# Altium PCB Radxa_E25_V1.4_20220119.PcbDoc (part 3 of 5) (continued)
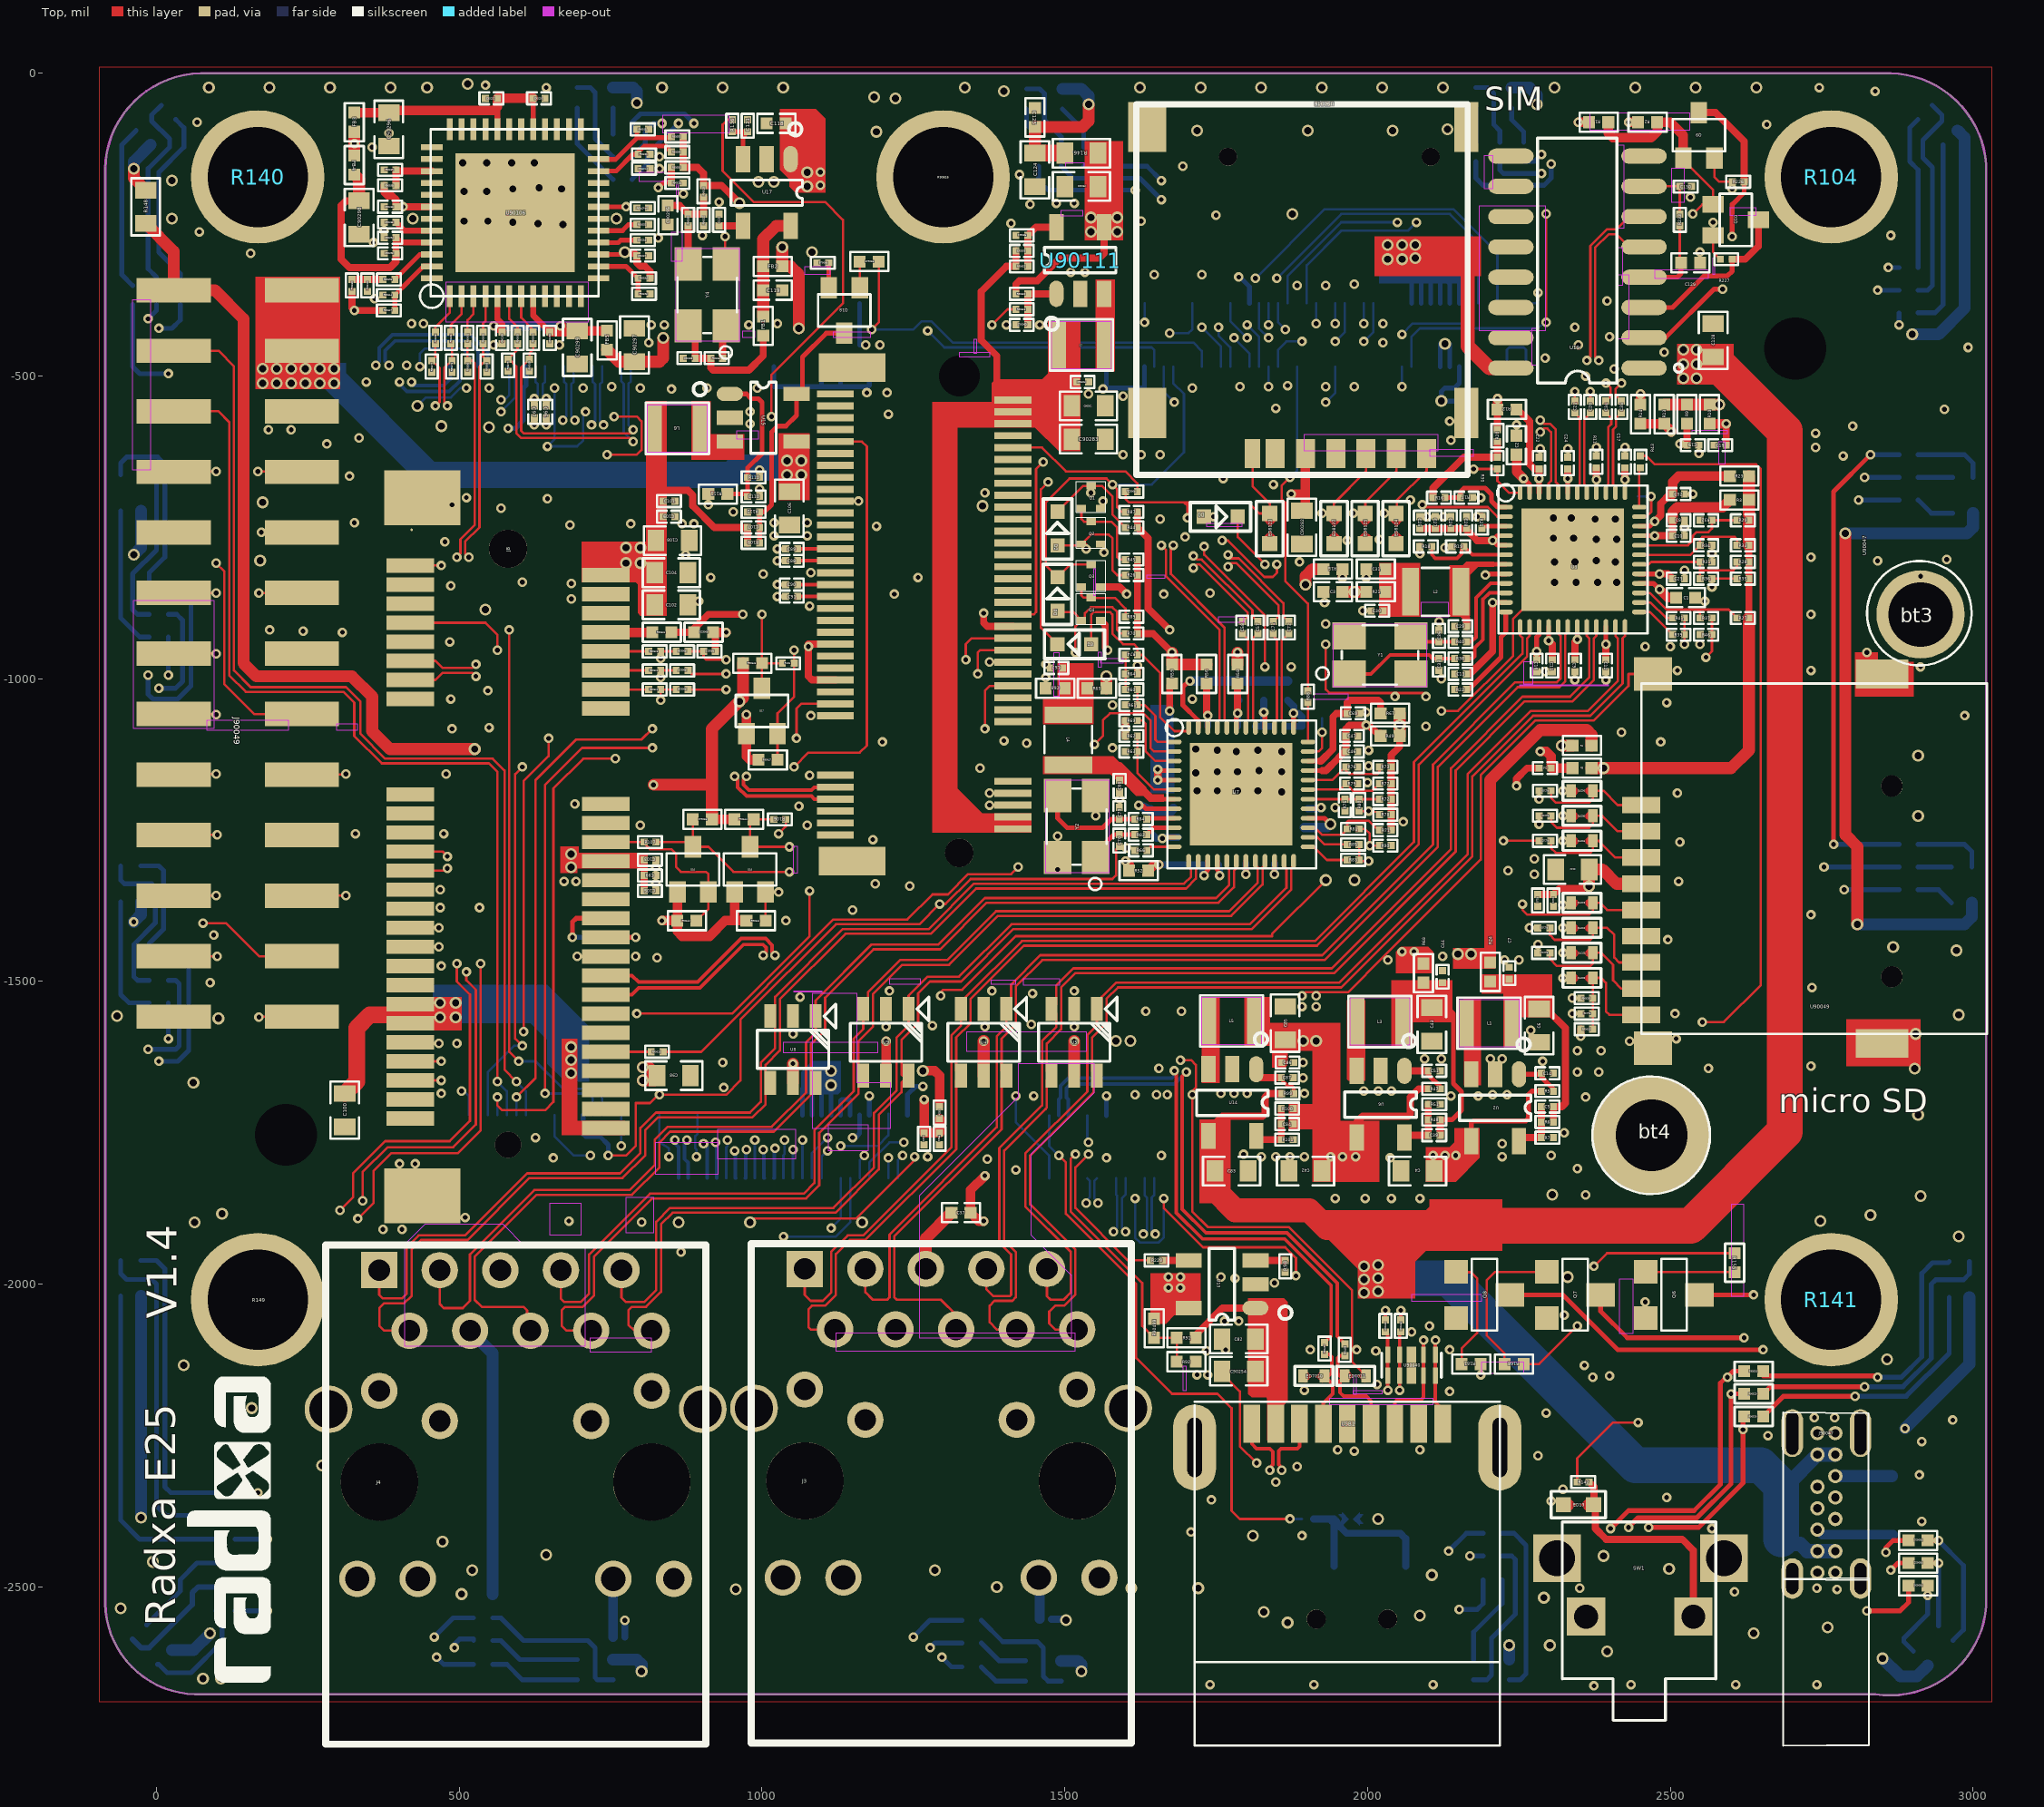
[diagram p0: Top view]
## Nets (pads, with @x,y where several pads share a name; then routed paths per layer and width w, separated by ;. In a path a pad name is that pad's centre, name@x,y a point inside that pad or via, vN(x,y) a via of type N, cw(c..) or ccw(c..) an arc to the next point about the centre after c; other vN are vias at no path point) (continued)
MDI1+: J4.3 U7.17 U8.1 | length 1842
  Top w3.94: J4.3@467.91,-1976.77 467.91,-2032.87 474.41,-2039.37 505.91,-2039.37 517.72,-2027.56 517.72,-1950.79 624.02,-1844.49 781.5,-1844.49 822.83,-1803.15 822.83,-1761.81 844.49,-1740.16 1016.23,-1740.16 1072.83,-1683.55 1072.83,-1600.39 1088.58,-1584.65 U8.1@1088.58,-1557.09 1088.58,-1531.5 1181.1,-1438.98 1291.34,-1438.98 1368.11,-1362.2 1750,-1362.2 1771.65,-1340.55 1771.65,-1314.96 1767.72,-1311.02 U7.17@1767.72,-1301.18
MDI1+_16743330: J3.3 U3.17 U4.1 | length 1967.1
  Top w3.94: J3.3@1170.67,-1974.8 1170.67,-2013.19 1183.07,-2025.59 1206.69,-2025.59 1210.64,-2021.64 1210.64,-1918 1387.8,-1740.84 1387.8,-1590.55 1403.54,-1574.8 U4.1@1403.54,-1545.28 1411.42,-1537.4 1411.42,-1504.95 1459.67,-1456.69 1694.88,-1456.69 1925.2,-1456.69 2108.27,-1273.62 2108.27,-1141.73 2244.09,-1005.91 2312.99,-1005.91 2318.9,-1000 2318.9,-929.13 2314.96,-925.2 U3.17@2314.96,-913.39
MDI1-: J4.6 U7.18 U8.6 | length 1862.9
  Top w3.94: J4.6@617.91,-2076.77 612.2,-2071.06 612.2,-2043.31 606.3,-2037.4 537.4,-2037.4 525.59,-2025.59 525.59,-1954.72 627.95,-1852.36 785.43,-1852.36 830.71,-1807.09 830.71,-1765.75 848.43,-1748.03 1019.49,-1748.03 1088.58,-1678.94 U8.6@1088.58,-1667.32 1080.71,-1659.45 1080.71,-1604.33 1104.33,-1580.71 1104.33,-1526.88 1184.36,-1446.85 1294.6,-1446.85 1371.37,-1370.08 1753.94,-1370.08 1779.53,-1344.49 1779.53,-1316.93 1783.46,-1312.99 U7.18@1783.46,-1301.18
MDI1-_16743330: J3.6 U3.18 U4.6 | length 2027.1
  Top w3.94: J3.6@1320.67,-2074.8 1320.67,-2050.98 1295.28,-2025.59 1222.44,-2025.59 1218.51,-2021.66 1218.51,-1921.26 1395.67,-1744.1 1395.67,-1663.39 U4.6@1403.54,-1655.51 1395.67,-1647.64 1395.67,-1594.49 1419.29,-1570.87 1419.29,-1508.21 1462.94,-1464.57 1929.13,-1464.57 2116.14,-1277.56 2116.14,-1145.67 2248.03,-1013.78 2316.93,-1013.78 2326.77,-1003.94 2326.77,-927.17 2330.71,-923.23 U3.18@2330.71,-913.39
MDI2+: J4.7 U7.20 U9.3 | length 1695.2
  Top w3.94: J4.7@667.91,-1976.77 667.91,-2023.62 673.82,-2029.53 700.79,-2029.53 714.57,-2015.75 714.57,-1950.79 814.96,-1850.39 1068.9,-1850.39 1086.61,-1832.68 1086.61,-1746.06 1151.57,-1681.1 1151.57,-1594.49 1167.32,-1578.74 U9.3@1167.32,-1545.28 1167.32,-1535.43 1175.2,-1527.56 1175.2,-1517.44 1228.07,-1464.57 1305.79,-1464.57 1386.5,-1383.86 1771.65,-1383.86 1818.9,-1336.61 1818.9,-1311.02 1814.96,-1307.09 U7.20@1814.96,-1301.18
MDI2+_16743390: J3.7 U3.20 U5.3 | length 1900
  Top w3.94: J3.7@1370.67,-1974.8 1370.67,-2008.46 1381.89,-2019.68 1409.45,-2019.68 1411.42,-2017.72 1411.42,-1950.79 1392.07,-1931.44 1392.07,-1775.25 1462.6,-1704.72 1462.6,-1598.43 1486.22,-1574.8 1486.22,-1553.15 U5.3@1478.35,-1545.28 1486.22,-1537.4 1486.22,-1506.24 1514.12,-1478.35 1940.94,-1478.35 2137.8,-1281.5 2137.8,-1147.64 2255.91,-1029.53 2334.65,-1029.53 2366.14,-998.03 2366.14,-933.07 2362.2,-929.13 U3.20@2362.2,-913.39
MDI2-: J4.8 U7.21 U9.4 | length 1744
  Top w3.94: J4.8@717.91,-2076.77 677.17,-2076.77 669.29,-2068.9 669.29,-2043.31 675.2,-2037.4 702.76,-2037.4 704.05,-2037.4 722.44,-2019.01 722.44,-1954.72 818.9,-1858.27 1072.83,-1858.27 1094.49,-1836.61 1094.49,-1750 1159.45,-1685.04 1159.45,-1663.39 U9.4@1167.32,-1655.51 1159.45,-1647.64 1159.45,-1598.43 1183.07,-1574.8 1183.07,-1520.7 1231.33,-1472.44 1309.06,-1472.44 1389.76,-1391.73 1774.92,-1391.73 1826.77,-1339.88 1826.77,-1311.02 1830.71,-1307.09 U7.21@1830.71,-1301.18
MDI2-_16743390: J3.8 U3.21 U5.4 | length 1950.6
  Top w3.94: J3.8@1420.67,-2074.8 1387.8,-2074.8 1375.98,-2062.99 1375.98,-2035.43 1383.86,-2027.56 1397.64,-2027.56 1413.39,-2027.56 1419.29,-2021.65 1419.29,-1946.85 1399.94,-1927.5 1399.94,-1779.19 1468.5,-1710.63 1468.5,-1709.95 1470.47,-1707.99 1470.47,-1663.39 U5.4@1478.35,-1655.51 1470.47,-1647.64 1470.47,-1602.36 1494.09,-1578.74 1494.09,-1509.5 1517.38,-1486.22 1944.88,-1486.22 2145.67,-1285.43 2145.67,-1151.57 2259.84,-1037.4 2338.58,-1037.4 2374.02,-1001.97 2374.02,-933.07 2377.95,-929.13 U3.21@2377.95,-913.39
MDI3+: J4.9 U7.23 U9.1 | length 1673.9
  Top w3.94: J4.9@767.91,-1976.77 767.91,-2021.85 775.59,-2029.53 805.12,-2029.53 825.45,-2009.19 825.45,-1896.99 848.43,-1874.02 1118.11,-1874.02 1185.04,-1807.09 1185.04,-1717.21 1222.44,-1679.81 1222.44,-1592.52 1242.13,-1572.83 U9.1@1242.13,-1545.28 1242.13,-1523.62 1273.62,-1492.13 1325.48,-1492.13 1412.09,-1405.51 1805.79,-1405.51 1866.14,-1345.16 1866.14,-1312.99 1862.2,-1309.06 U7.23@1862.2,-1301.18
MDI3+_16743390: J3.9 U3.23 U5.1 | length 1905.8
  Top w3.94: J3.9@1470.67,-1974.8 1470.67,-2019.88 1476.38,-2025.59 1498.03,-2025.59 1509.84,-2013.78 1509.84,-1946.18 1435.04,-1871.38 1435.04,-1784.34 1537.4,-1681.98 1537.4,-1588.58 1553.15,-1572.83 U5.1@1553.15,-1545.28 1561.02,-1545.28 1561.02,-1525.59 1584.65,-1501.97 1953.43,-1501.97 2165.35,-1290.05 2165.35,-1157.48 2269.68,-1053.15 2364.17,-1053.15 2413.39,-1003.94 2413.39,-933.07 2409.45,-929.13 U3.23@2409.45,-913.39
MDI3-: J4.10 U7.24 U9.6 | length 1710.4
  Top w3.94: J4.10@817.91,-2076.77 789.37,-2076.77 779.53,-2066.93 779.53,-2043.31 785.43,-2037.4 808.38,-2037.4 833.32,-2012.46 833.32,-1900.93 852.36,-1881.89 1121.37,-1881.89 1192.91,-1810.35 1192.91,-1720.47 1230.31,-1683.07 1230.31,-1667.32 U9.6@1242.13,-1655.51 1232.28,-1655.51 1230.31,-1653.54 1230.31,-1596.46 1257.87,-1568.9 1257.87,-1519.68 1277.56,-1500 1328.74,-1500 1415.35,-1413.39 1809.05,-1413.39 1874.02,-1348.43 1874.02,-1312.99 1877.95,-1309.06 U7.24@1877.95,-1301.18
MDI3-_16743390: J3.10 U3.24 U5.6 | length 1944.4
  Top w3.94: J3.10@1520.67,-2074.8 1484.25,-2074.8 1474.41,-2064.96 1474.41,-2045.28 1484.25,-2035.43 1499.32,-2035.43 1517.72,-2017.04 1517.72,-1942.91 1442.91,-1868.11 1442.91,-1787.6 1547.24,-1683.27 1547.24,-1661.42 U5.6@1553.15,-1655.51 1545.28,-1647.64 1545.28,-1592.52 1568.9,-1568.9 1568.9,-1528.85 1587.91,-1509.84 1956.69,-1509.84 2173.23,-1293.31 2173.23,-1161.42 2273.62,-1061.02 2368.11,-1061.02 2421.26,-1007.87 2421.26,-933.07 2425.2,-929.13 U3.24@2425.2,-913.39
MINIPCIE20_CLKREQN_3V3_L: J8.7 Q17.2 R105.2 R90647.2 | length 1022.5
  Top w3.94: J8.7@419.29,-907.48 543.31,-907.48 562.99,-927.17 v1(562.99,-952.76) ; R90647.2@1025.59,-1133.86 Q17.2@1025.59,-1090.55 1025.59,-1057.09 1053.15,-1029.53 R105.2@1053.15,-974.41 v1(1053.15,-952.76)
  GND2 w3.94: v1(562.99,-952.76) 562.99,-1000 624.02,-1061.02 899.61,-1061.02 923.23,-1037.4 923.23,-960.63 931.1,-952.76 v1(1053.15,-952.76)
MINIPCIE20_PERSTN_3V3_L: J8.22 Q15.2 R107.2 R90643.2 | length 290.1
  Top w3.94: J8.22@742.13,-1269.68 R107.2@805.12,-1269.68 805.12,-1271.65 814.96,-1281.5 850.39,-1281.5 858.27,-1289.37 858.27,-1311.02 866.14,-1318.9 907.48,-1318.9 911.42,-1322.83 Q15.2@911.42,-1352.36 911.42,-1379.92 R90643.2@891.73,-1399.61
MINIPCIE20_TX_N: C96.2 J8.31 | length 1109
  Top w3.94: J8.31@419.29,-1411.42 v1(466.54,-1411.42) ; v1(643.7,-580.71) C96.2@643.7,-568.9
  S1 w3.94: v1(466.54,-1411.42) 466.54,-1419.29 462.6,-1423.23 442.91,-1423.23 433.07,-1413.39 433.07,-663.39 484.25,-612.2 625.98,-612.2 637.8,-600.39 637.8,-586.61 v1(643.7,-580.71)
MINIPCIE20_TX_P: C97.2 J8.33 | length 1122.5
  Top w3.94: J8.33@419.29,-1442.91 v1(466.54,-1442.91) ; v1(624.02,-580.71) C97.2@624.02,-568.9
  S1 w3.94: v1(466.54,-1442.91) 466.54,-1435.04 462.6,-1431.1 438.98,-1431.1 425.2,-1417.32 425.2,-659.45 480.31,-604.33 622.05,-604.33 629.92,-596.46 629.92,-586.61 v1(624.02,-580.71)
MINIPCIE20_WAKEN_3V3_L: J8.1 Q16.2 R106.2 R90645.2 | length 1170.1
  Top w3.94: J8.1@419.29,-812.99 v1(470.47,-812.99) ; R90645.2@1005.91,-1399.61 Q16.2@1005.9,-1352.36 v1(1027.56,-1352.36) ; v1(1027.56,-1255.91) 1039.37,-1244.09 R106.2@1039.37,-1232.28
  S1 w3.94: v1(1027.56,-1352.36) v1(1027.56,-1255.91)
  GND2 w3.94: v1(470.47,-812.99) 470.47,-1127.95 598.43,-1255.91 v1(1027.56,-1255.91)
N16762369: C58.2 U7.42 | length 161.2
  Top w3.94: C58.2@1793.31,-925.2 1803.15,-935.04 1803.15,-1066.93 1799.21,-1070.87 U7.42@1799.21,-1080.71
N16762375: C57.2 U7.41 | length 160.4
  Top w3.94: U7.41@1814.96,-1080.71 1814.96,-1070.87 1811.02,-1066.93 1811.02,-933.07 C57.2@1818.9,-925.2
N16762537: C70.2 R82.1 Y2.1 | length 84.8
  Top w7.87: Y2.1@1551.18,-1295.28 1552.68,-1293.78 1552.68,-1285.9 1581.18,-1257.41 C70.2@1590.08,-1257.41 R82.1@1615.67,-1257.41
N16762539: C73.2 R84.1 Y2.3 | length 177.3
  Top w7.87: Y2.3@1488.19,-1192.91 1488.19,-1230.31 1503.94,-1246.06 1562.52,-1246.06 1576.77,-1231.82 C73.2@1590.08,-1231.82 R84.1@1615.67,-1231.82
N16762627: Q3.1 Q4.3 R89.2 | length 109.1
  Top w3.94: Q3.1@1527.56,-848.43 1527.56,-862.2 1531.5,-866.14 1543.01,-866.14 Q4.3@1543.41,-866.54 1582.68,-866.54 1600.39,-884.25 R89.2@1600.39,-897.64
N16762659: C39.2 R48.2 R51.1 U6.5 | length 94.5
  Top w11.81: U6.5@2061.02,-1757.84 2061.02,-1753.94 C39.2@2100.39,-1753.94 R48.2@2100.39,-1728.35 R51.1@2100.39,-1702.76
N16762671: C51.1 R47.2 U6.1 | length 79.4
  Top w7.87: C51.1@2100.39,-1647.64 2100.39,-1654.22 2121.71,-1675.53 2120.08,-1675.53 R47.2@2120.08,-1677.17
  Top w11.81: U6.1@2061.02,-1647.64 C51.1@2100.39,-1647.64
N16762683: L3.1 U6.3
N16762741: C74.2 J4.4 J4.5 | length 571.2
  GND2 w19.68: J4.4@517.91,-2076.77 567.91,-2026.77 J4.5@567.91,-1976.77
  Bottom w19.68: J4.4@517.91,-2076.77 555.12,-2113.98 C74.2@555.12,-2511.81
N16778760: R98.1 U13.3 | length 49.3
  Top w11.81: U13.3@1814.96,-1960.63 R98.1@1864.17,-1960.63
N16779252: ED5.1 J5.1 J5.2 R94.2 | length 297.6
  Bottom w3.94: ED5.1@1944.88,-2387.8 ED5.1@1947.44,-2387.8
  Bottom w11.81: R94.2@1911.42,-2387.8 1941.18,-2387.8 1941.18,-2391.49 ED5.1@1944.88,-2387.8 ; J5.2@1944.88,-2465.55 ED5.1@1944.88,-2387.8 ; J5.1@2062.99,-2465.55 2062.99,-2420.28 2054.13,-2411.42 1965.55,-2411.42 1948.58,-2394.45 1948.58,-2391.49 1946.16,-2389.07 ED5.1@1944.88,-2387.8
N16787208: C120.1 U17.4 | length 39.4
  Top w11.81: C120.1@929.13,-251.97 U17.4@968.54,-251.97
N16787306: C121.1 R136.2 U17.3 | length 74.1
  Top w7.87: R136.2@950.79,-96.46 C121.1@976.38,-96.46 968.54,-104.29 U17.3@968.54,-141.73
N16797613: ED13.1 R147.2 SW1.1 | length 368
  Top w3.94: ED13.1@2373.43,-2364.17 ED13.1@2374.02,-2364.17
  Top w11.81: R147.2@2366.14,-2326.77 2374.02,-2334.65 2374.02,-2364.17 2376.22,-2366.38 2376.22,-2403.54 2393.94,-2421.26 2519.68,-2421.26 2538.19,-2439.76 SW1.1@2538.19,-2549.21
N16805298: Q6.1 R155.1 | length 147.1
  Top w3.94: Q6.1@2459.41,-1979.72 2605.7,-1979.72 R155.1@2606.3,-1980.31
N16806283: Q7.1 R168.1 | length 255.5
  Top w3.94: R168.1@2226.38,-2131.89 2226.38,-2114.17 2196.85,-2084.65 2196.85,-1993.5 2210.63,-1979.72 Q7.1@2296.02,-1979.72
N16806427: Q8.1 R181.1 | length 191.3
  Top w3.94: Q8.1@2146.41,-1979.72 2147.01,-1980.31 2171.26,-1980.31 2181.1,-1990.16 2181.1,-2080.71 2155.51,-2106.3 R181.1@2155.51,-2131.89
N16816442: C20.2 U3.41 | length 137.6
  Top w3.94: U3.41@2362.2,-692.91 2362.2,-683.07 2358.27,-679.13 2358.27,-570.87 C20.2@2368.11,-561.02
N16816444: C21.2 U3.42 | length 136.8
  Top w3.94: C21.2@2342.52,-561.02 2350.39,-568.9 2350.39,-679.13 2346.46,-683.07 U3.42@2346.46,-692.91
N16822808: C84.2 R100.2 R101.1 U14.5 | length 95
  Top w11.81: U14.5@1816.2,-1755.14 1822.14,-1761.08 R101.1@1857.54,-1761.08 C84.2@1857.54,-1735.49 R100.2@1857.54,-1709.9
N16822824: C87.1 R99.2 U14.1 | length 91
  Top w6: C87.1@1857.54,-1658.72 1857.54,-1661.5 1869.26,-1673.23 1875.05,-1673.23 1877.95,-1676.13 R99.2@1877.95,-1685.04
  Top w11.81: U14.1@1816.2,-1644.94 1816.2,-1654.79 1820.13,-1658.72 C87.1@1857.54,-1658.72
N16822878: L5.1 U14.3
N16824184: C107.2 Q18.3 R109.2 R112.1 U15.5 | length 444
  Top w7.87: R109.2@996.06,-775.59 C107.2@996.06,-750 R112.1@996.06,-724.41 1003.94,-724.41 1015.75,-712.6 1015.75,-592.52 1025.59,-582.68 1039.37,-582.68 1057.05,-565 U15.5@1057.05,-529.53 ; U15.5@1053.15,-529.53 U15.5@1057.05,-529.53 ; Q18.3@1135.83,-429.13 1106.3,-429.13 1066.93,-468.5 1066.93,-529.53 U15.5@1057.05,-529.53
N16824196: C110.1 R110.2 R111.2 U15.1 | length 257.6
  Top w7.87: R111.2@942.91,-694.88 C110.1@976.38,-694.88 ; U15.1@946.85,-529.53 974.41,-529.53 982.28,-537.4 994.09,-537.4 1000,-543.31 1000,-627.95 976.38,-651.57 C110.1@976.38,-694.88 ; C110.1@976.38,-698.82 C110.1@976.38,-694.88
N16824242: L6.1 U15.3
N16828409: C5.2 R6.2 R7.1 U2.5 | length 93.9
  Top w11.81: U2.5@2250.25,-1763.49 2250.25,-1757.87 R7.1@2287.4,-1757.87 R6.2@2287.4,-1732.28 C5.2@2287.4,-1706.69
N16828415: C14.1 R5.2 U2.1 | length 77.8
  Top w7.87: U2.1@2250.25,-1653.29 2285.69,-1653.29 C14.1@2287.4,-1651.57 2287.4,-1658.16 2308.72,-1679.47 2307.09,-1679.47 R5.2@2307.09,-1681.1
N16828421: L1.1 U2.3
N16836115: J90047.A5 R224.2 | length 128.3
  Bottom w15.75: J90047.A5@2743.11,-2405.51 2750.98,-2413.39 R224.2@2868.11,-2413.39
N16836117: J90047.B5 R225.2 | length 93.5
  Bottom w19.68: J90047.B5@2772.64,-2316.93 R225.2@2866.14,-2316.93
N16836123: J90047.A7 J90047.B7 U19.6 | length 2739
  Top w3.94: v1(2362.2,-474.41) 2368.11,-468.5 2368.11,-284.98 2395.33,-257.77 2410.74,-257.77 2431.8,-236.7 U19.6@2456.8,-236.7
  S1 w3.94: v1(2362.2,-474.41) 2377.95,-458.66 2424.6,-458.66 2681.1,-715.16 2681.1,-1840.55 2537.4,-1984.25 2537.4,-2324.74 2563.05,-2350.39 2727.36,-2350.39 J90047.A7@2743.11,-2334.65 2787.4,-2334.65 2793.31,-2340.55 2793.31,-2377.95 2783.46,-2387.8 J90047.B7@2772.64,-2387.8
N16836129: J90047.A6 J90047.B6 U19.5 | length 2623.9
  Top w3.94: v1(2381.89,-474.41) 2375.98,-468.5 2375.98,-288.25 2398.59,-265.64 2410.74,-265.64 2431.8,-286.7 U19.5@2456.8,-286.7
  S1 w3.94: v1(2381.89,-474.41) 2389.76,-466.54 2421.34,-466.54 2673.23,-718.42 2673.23,-1836.61 2529.53,-1980.31 2529.53,-2328.74 2559.06,-2358.27 2731.3,-2358.27 J90047.A6@2743.11,-2370.08 2760.83,-2352.36 J90047.B6@2772.64,-2352.36
N16844838: R229.1 U13.4 | length 43.4
  Top w11.81: R229.1@1661.42,-1960.63 U13.4@1704.76,-1960.63
N16845768: C130.1 R233.1 U19.7 | length 104.3
  Top w3.94: U19.7@2456.8,-186.7 2515.44,-186.7 C130.1@2515.75,-187.01 R233.1@2515.75,-232.28
N16863072: C37.2 J3.4 J3.5 | length 231.2
  Top w19.68: J3.5@1270.67,-1974.8 1270.67,-1924.21 C37.2@1312.99,-1881.89
  GND2 w19.68: J3.4@1220.67,-2074.8 1270.67,-2024.8 J3.5@1270.67,-1974.8
N16875856: ED7011.1 R90498.1 USB1.3 | length 177.6
  Top w5.91: R90498.1@1962.6,-2118.11 1954.72,-2118.11 1950.79,-2122.05 1950.79,-2147.64 1954.72,-2151.57 ED7011.1@1962.6,-2151.57 1954.72,-2159.45 1954.72,-2179.13 1960.63,-2185.04 1998.03,-2185.04 2005.91,-2192.91 USB1.3@2005.91,-2230.31
N16875879: ED7010.1 R90497.1 USB1.2 | length 144.3
  Top w5.91: USB1.2@1927.17,-2230.31 1927.17,-2196.85 1942.91,-2181.1 1942.91,-2165.35 ED7010.1@1929.13,-2151.57 1935.04,-2151.57 1940.94,-2145.67 1940.94,-2120.08 1937.01,-2116.14 R90497.1@1929.13,-2116.14
N16897761: D4205.1 R4201.2 U90049.2 | length 189.7
  Top w3.94: R4201.2@2303.15,-1226.38 2303.15,-1236.22 2312.99,-1246.06 2366.14,-1246.06 2372.05,-1240.16 2372.05,-1233.88 2372.05,-1232.38 D4205.1@2372.05,-1226.38 2387.8,-1226.38 2413.39,-1251.97 U90049.2@2452.14,-1251.97
N16897763: D4204.1 R4202.2 U90049.3 | length 192.9
  Top w3.94: R4202.2@2303.15,-1267.72 2303.15,-1279.53 2311.02,-1287.4 2368.11,-1287.4 2372.05,-1283.46 2372.05,-1275.22 2372.05,-1273.72 D4204.1@2372.05,-1267.72 2381.89,-1267.72 2409.45,-1295.27 U90049.3@2452.14,-1295.27
N16897773: D4201.1 R4204.2 U90049.8 | length 224.5
  Top w3.94: R4204.2@2301.18,-1452.76 2301.18,-1462.6 2312.99,-1474.41 2368.11,-1474.41 2372.05,-1470.47 2372.05,-1460.26 2372.05,-1458.76 D4201.1@2372.05,-1452.76 2385.83,-1452.76 2405.51,-1472.44 2405.51,-1498.03 2419.29,-1511.81 U90049.8@2452.14,-1511.81
N16897781: D4200.1 R4205.2 R90615.1 R90639.2 U90049.9 | length 217.7
  Top w3.94: R90615.1@2372.05,-1578.74 R4205.2@2372.05,-1553.15 R90639.2@2372.05,-1527.56 2372.05,-1501.59 2372.05,-1500.09 D4200.1@2372.05,-1494.09 2385.83,-1494.09 2393.7,-1501.97 2393.7,-1549.21 2399.61,-1555.12 U90049.9@2452.14,-1555.12
N16897789: D4206.1 R4200.2 U90049.1 | length 190.1
  Top w3.94: R4200.2@2303.15,-1185.04 2303.15,-1196.85 2311.02,-1204.72 2366.14,-1204.72 2372.05,-1198.82 2372.05,-1192.54 2372.05,-1191.04 D4206.1@2372.05,-1185.04 2389.76,-1185.04 2413.39,-1208.66 U90049.1@2452.14,-1208.66
N16897797: D4202.1 R4203.2 U90049.7 | length 229
  Top w3.94: R4203.2@2301.18,-1411.42 2301.18,-1423.23 2309.06,-1431.1 2368.11,-1431.1 2372.05,-1427.17 2372.05,-1418.92 2372.05,-1417.42 D4202.1@2372.05,-1411.42 2395.67,-1411.42 2407.48,-1423.23 2407.48,-1460.63 2415.35,-1468.5 U90049.7@2452.14,-1468.5
N16906917: R90354.1 U90094.2 | length 494
  Bottom w7.87: U90094.2@-25.59,-1960.63 0,-1960.63 13.78,-1974.41 13.78,-2334.65 23.62,-2344.49 R90354.1@98.43,-2344.49
N16906950: R90356.1 U90094.4 | length 559.1
  Bottom w7.87: U90094.4@-59.06,-1960.63 -59.06,-1982.28 -49.21,-1992.13 -7.87,-1992.13 0,-2000 0,-2366.14 15.75,-2381.89 R90356.1@98.43,-2381.89
N16906953: R90355.1 U90094.3 | length 540.6
  Bottom w7.87: U90094.3@-59.06,-2019.68 -59.06,-2389.76 -27.56,-2421.26 R90355.1@98.43,-2421.26
N16906972: R90521.1 U90095.2 | length 151.3
  Bottom w7.87: U90095.2@694.88,-23.62 716.54,-23.62 724.41,-31.5 724.41,-108.27 R90521.1@753.94,-137.8
N16907005: R90522.1 U90095.4 | length 142.6
  Bottom w7.87: U90095.4@694.88,-57.09 694.88,-116.14 R90522.1@753.94,-175.2
N16907020: R90520.1 U90095.3 | length 43.3
  Bottom w7.87: R90520.1@753.94,-100.39 U90095.3@753.94,-57.09
N16907039: R90524.1 U90096.2 | length 132.8
  Bottom w7.87: U90096.2@1437.01,-25.59 1458.66,-25.59 1466.54,-33.46 1466.54,-76.77 1494.09,-104.33 R90524.1@1494.09,-122.05
N16907084: R90525.1 U90096.4 | length 71.1
  Bottom w7.87: U90096.4@1437.01,-59.06 1437.01,-84.65 1456.69,-104.33 R90525.1@1456.69,-122.05
N16907087: R90523.1 U90096.3 | length 77.7
  Bottom w7.87: U90096.3@1496.06,-59.06 1531.5,-94.49 R90523.1@1531.5,-122.05
N16907327: R90527.1 U90097.2 | length 350.8
  Bottom w7.87: R90527.1@2909.45,-358.27 2925.2,-358.27 2933.07,-350.39 2933.07,-155.51 2917.32,-139.76 2917.32,-110.24 2948.82,-78.74 2948.82,-68.9 U90097.2@2932.65,-52.73
N16907360: R90528.1 U90097.4 | length 255.7
  Bottom w7.87: U90097.4@2908.99,-76.39 2895.67,-89.71 2895.67,-145.67 2909.45,-159.45 R90528.1@2909.45,-320.87
N16907363: R90526.1 U90097.3 | length 310.7
  Bottom w7.87: R90526.1@2909.45,-395.67 2909.49,-395.63 2937.01,-395.63 2950.75,-381.89 U90097.3@2950.75,-118.15
N16907382: R90529.1 U90098.2 | length 514.8
  Top w7.87: R90529.1@2653.54,-2181.1 2665.35,-2169.29 v1(2820.87,-2169.29)
  Bottom w7.87: v1(2820.87,-2169.29) 2884.5,-2169.29 2931.1,-2122.69 2931.1,-2000 2938.33,-1992.77 2984.25,-1992.77 2994.09,-1982.93 U90098.2@2994.09,-1962.6
N16907415: R90531.1 U90098.4 | length 476.7
  Top w7.87: R90531.1@2653.54,-2143.7 2653.54,-2151.57 2842.52,-2151.57 v1(2842.52,-2153.54)
  Bottom w7.87: v1(2842.52,-2153.54) 2881.89,-2153.54 2915.35,-2120.08 2915.35,-1982.28 2933.07,-1964.57 2958.66,-1964.57 U90098.4@2960.63,-1962.6
N16907430: R90530.1 U90098.3 | length 442.8
  Top w7.87: R90530.1@2653.54,-2218.5 2687.01,-2185.04 v1(2805.12,-2185.04)
  Bottom w7.87: v1(2805.12,-2185.04) 2889.76,-2185.04 2960.63,-2114.17 U90098.3@2960.63,-2021.65
N16907449: R90532.1 U90099.2 | length 119.1
  Bottom w7.87: R90532.1@2909.45,-1273.62 2986.22,-1273.62 2998.03,-1285.43 U90099.2@2998.03,-1311.02
N16907494: R90534.1 U90099.4 | length 55.1
  Bottom w7.87: R90534.1@2909.45,-1311.02 U90099.4@2964.57,-1311.02
N16907497: R90533.1 U90099.3 | length 64.1
  Bottom w7.87: R90533.1@2909.45,-1348.43 2942.91,-1348.43 U90099.3@2964.57,-1370.08
N16908002: R90536.1 U90100.2 | length 290.5
  Bottom w7.87: U90100.2@-25.59,-663.39 -7.87,-663.39 0,-671.26 0,-787.4 -39.37,-826.77 -39.37,-885.83 -31.5,-893.7 R90536.1@-11.81,-893.7
N16908031: R90537.1 U90100.4 | length 322.7
  Bottom w7.87: U90100.4@-59.06,-663.39 -59.06,-643.7 -49.21,-633.86 1.97,-633.86 13.78,-645.67 13.78,-799.21 -11.81,-824.8 R90537.1@-11.81,-856.3
N16908034: R90535.1 U90100.3 | length 237.5
  Bottom w7.87: U90100.3@-59.06,-722.44 -59.06,-899.61 -27.56,-931.1 R90535.1@-11.81,-931.1
N16908051: R90538.1 U90101.2 | length 192.2
  Bottom w7.87: U90101.2@-25.59,-1309.06 3.94,-1309.06 11.81,-1316.93 11.81,-1413.39 -11.81,-1437.01 R90538.1@-11.81,-1458.66
N16908086: R90540.1 U90101.4 | length 276
  Bottom w7.87: U90101.4@-59.06,-1309.06 -59.06,-1332.68 -53.15,-1338.58 -7.87,-1338.58 -1.97,-1344.49 -1.97,-1403.54 -37.4,-1438.98 -37.4,-1492.13 -31.5,-1498.03 R90540.1@-11.81,-1498.03
N16908097: R90539.1 U90101.3 | length 206.5
  Bottom w7.87: U90101.3@-59.06,-1368.11 -59.06,-1521.65 -45.28,-1535.43 R90539.1@-11.81,-1535.43
N16908118: R90542.1 U90102.2 | length 152.8
  Bottom w7.87: R90542.1@555.12,-2588.58 568.9,-2588.58 600.39,-2620.08 U90102.2@694.88,-2620.08
N16908161: R90543.1 U90102.4 | length 150.4
  Bottom w7.87: R90543.1@555.12,-2627.95 578.74,-2627.95 604.33,-2653.54 U90102.4@694.88,-2653.54
N16908164: R90541.1 U90102.3 | length 270
  Bottom w7.87: R90541.1@555.12,-2551.18 568.9,-2551.18 606.3,-2588.58 712.6,-2588.58 724.41,-2600.39 724.41,-2649.61 728.35,-2653.54 U90102.3@753.94,-2653.54
N16908195: R90545.1 U90103.2 | length 85.1
  Bottom w7.87: R90545.1@1362.2,-2592.52 1391.73,-2622.05 U90103.2@1435.04,-2622.05
N16908240: R90546.1 U90103.4 | length 82.6
  Bottom w7.87: R90546.1@1362.2,-2631.89 1385.83,-2655.51 U90103.4@1435.04,-2655.51
N16908243: R90544.1 U90103.3 | length 201.1
  Bottom w7.87: R90544.1@1362.2,-2555.12 1397.64,-2590.55 1454.72,-2590.55 1464.57,-2600.39 1464.57,-2647.64 1472.44,-2655.51 U90103.3@1494.09,-2655.51
N16908262: R90547.1 U90104.2 | length 151.5
  Bottom w7.87: U90104.2@2175.2,-2620.08 2175.2,-2574.8 2222.44,-2527.56 R90547.1@2222.44,-2488.19
N16908287: R90549.1 U90104.4 | length 264.1
  Bottom w7.87: U90104.4@2175.2,-2653.54 2196.85,-2653.54 2204.72,-2645.67 2204.72,-2584.65 2244.09,-2545.28 2244.09,-2454.72 2238.19,-2448.82 R90549.1@2222.44,-2448.82
N16908302: R90548.1 U90104.3 | length 291.8
  Bottom w7.87: R90548.1@2222.44,-2411.42 2242.13,-2411.42 2261.81,-2431.1 2261.81,-2643.7 2251.97,-2653.54 U90104.3@2234.25,-2653.54
N16908329: R90550.1 U90105.2 | length 119.9
  Bottom w7.87: R90550.1@2909.45,-629.92 2986.22,-629.92 3000,-643.7 U90105.2@3000,-667.32
N16908366: R90552.1 U90105.4 | length 57.1
  Bottom w7.87: R90552.1@2909.45,-667.32 U90105.4@2966.54,-667.32
N16908369: R90551.1 U90105.3 | length 66.1
  Bottom w7.87: R90551.1@2909.45,-704.72 2931.1,-726.38 U90105.3@2966.54,-726.38
N16934206: C90285.1 U90106.44 | length 64.8
  Top w10: C90285.1@395.67,-246.06 409.45,-259.84 U90106.44@454.72,-259.84
N16934449: C90284.2 U90106.16 | length 64.6
  Top w7.87: U90106.16@730.31,-279.53 762.8,-279.53 766.73,-275.59 C90284.2@793.31,-275.59
N16934641: R90585.1 Y4.3 | length 63
  Top w11.81: Y4.3@877.95,-314.96 R90585.1@877.95,-251.97
N16934645: C90295.1 R90585.2 R90613.2 R90614.1 | length 92.3
  Top w11.81: C90295.1@844.49,-218.5 864.17,-218.5 R90585.2@877.95,-232.28 R90614.1@903.54,-232.28 R90613.2@903.54,-204.72
N16934671: R90584.1 Y4.1 | length 59.1
  Top w11.81: R90584.1@935.04,-470.47 935.04,-417.32 Y4.1@940.94,-417.32
N16934676: C90286.1 FB1.2 R90584.2 Y4.4 | length 237.8
  Top w11.81: Y4.4@877.95,-417.32 889.76,-417.32 C90286.1@889.76,-470.47 R90584.2@915.35,-470.47 915.35,-486.22 919.29,-490.16 978.35,-490.16 1001.97,-466.54 FB1.2@1001.97,-433.07
N16935218: R90595.2 U90106.46 | length 78.1
  Top w7.87: R90595.2@393.7,-340.55 435.04,-299.21 U90106.46@454.72,-299.21
N17023115: R90628.1 U90107.2 | length 167.9
  Bottom w7.87: U90107.2@-16.17,-2562.57 39.37,-2507.03 39.37,-2488.19 66.93,-2460.63 R90628.1@98.43,-2460.63
N17023131: R90629.1 U90107.4 | length 197.3
  Bottom w9.06: U90107.4@-39.83,-2586.24 -25.59,-2600.48 -11.89,-2600.48 59.14,-2529.45 59.14,-2509.84 68.98,-2500 R90629.1@98.43,-2500
N17023145: R90627.1 U90107.3 | length 188.5
  Bottom w7.87: U90107.3@1.93,-2627.99 3.98,-2627.99 17.72,-2641.73 57.09,-2641.73 108.27,-2590.55 108.27,-2549.21 R90627.1@98.43,-2539.37
N17023161: R90631.1 U90108.2 | length 206.9
  Top w7.87: R90631.1@2925.2,-2423.23 v1(2942.91,-2423.23)
  Bottom w7.87: v1(2942.91,-2423.23) 2984.25,-2464.57 2984.25,-2570.87 U90108.2@2966.96,-2588.16
N17023187: R90632.1 U90108.4 | length 121.7
  Top w7.87: R90632.1@2925.2,-2460.63 v1(2942.91,-2460.63)
  Bottom w7.87: v1(2942.91,-2460.63) 2943.29,-2461.01 U90108.4@2943.29,-2564.5
N17023205: R90630.1 U90108.3 | length 131
  Top w7.87: v1(2925.2,-2513.78) R90630.1@2925.2,-2498.03
  Bottom w7.87: U90108.3@2901.53,-2606.26 2885.83,-2590.55 2885.83,-2584.65 2925.2,-2545.28 v1(2925.2,-2513.78)
N17023225: R90634.1 U90109.2 | length 118.4
  Bottom w7.87: U90109.2@2179.13,-23.62 2198.82,-23.62 2208.66,-33.46 2208.66,-84.65 2218.5,-94.49 R90634.1@2218.5,-114.17
N17023267: R90635.1 U90109.4 | length 57.1
  Bottom w7.87: R90635.1@2179.13,-114.17 U90109.4@2179.13,-57.09
N17023269: R90633.1 U90109.3 | length 65.2
  Bottom w7.87: U90109.3@2238.19,-57.09 2238.19,-76.77 2257.87,-96.46 R90633.1@2257.87,-114.17
N17023451: R90637.1 U90110.2 | length 311.4
  Bottom w7.87: U90110.2@31.92,-76.35 45.28,-89.71 45.28,-122.05 3.94,-163.39 3.94,-295.28 39.37,-330.71 R90637.1@39.37,-350.39
N17023467: R90638.1 U90110.4 | length 337.1
  Bottom w7.87: R90638.1@0,-350.39 0,-336.61 -13.78,-322.83 -13.78,-157.4 21.65,-121.97 21.65,-108.27 -7.96,-78.66 -7.96,-68.9 U90110.4@8.25,-52.69
N17023485: R90636.1 U90110.3 | length 273.1
  Bottom w7.87: R90636.1@-39.37,-350.39 -57.09,-332.68 -57.09,-118.03 U90110.3@-33.51,-94.45
N17026189: Q18.2 R90648.1 | length 41.3
  Top w7.87: Q18.2@1110.24,-354.33 R90648.1@1110.24,-312.99
N17026391: Q18.1 R90649.2 | length 43.3
  Top w3.94: Q18.1@1161.42,-354.33 R90649.2@1161.42,-311.02
N17044666: C90301.2 R90651.1 R90652.2 U90111.5 | length 104.1
  Top w3.94: C90301.2@1438.98,-295.28 C90301.2@1438.98,-293.31
  Top w11.81: R90652.2@1438.98,-318.9 C90301.2@1438.98,-295.28 ; C90301.2@1438.98,-293.31 R90651.1@1438.98,-267.72 1452.72,-253.97 U90111.5@1486.22,-253.97
N17044678: C90304.1 R90650.2 R90653.2 U90111.1 | length 98.4
  Top w11.81: C90304.1@1438.98,-415.35 R90650.2@1438.98,-364.17 U90111.1@1486.22,-364.17
N17044724: L7.1 U90111.3
N17305865: J8.30 TP5.1 | length 117.9
  Top w7.87: v1(687.01,-1427.17) 687.01,-1401.57 692.91,-1395.67 J8.30@742.13,-1395.67
  Bottom w7.87: v1(687.01,-1427.17) 710.63,-1427.17 TP5.1@718.5,-1435.04